# Altium PCB SuperClock_Core.PcbDoc (continued)
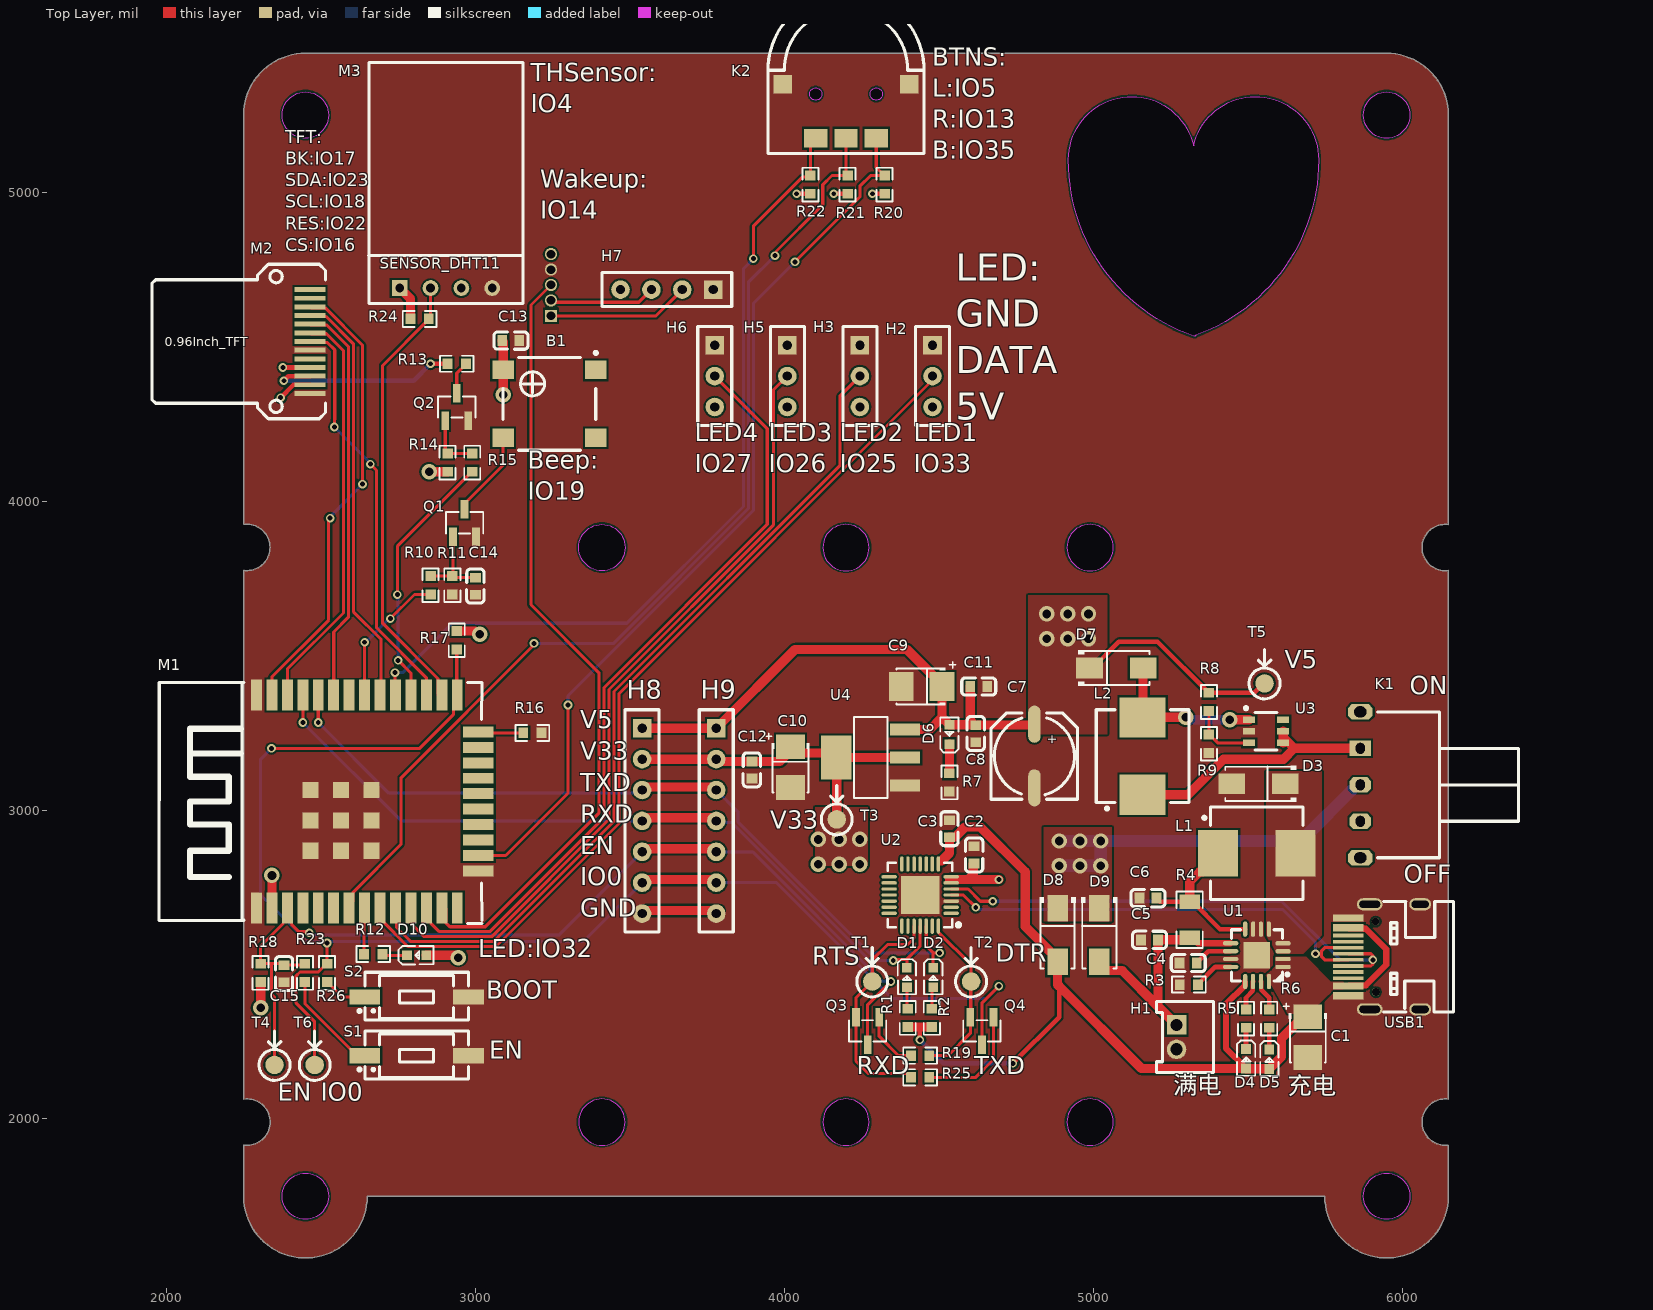
[diagram p0: Top Layer view]
## Components (designator, comment, footprint, x,y, rotation, side; value= is the part's Value field where it differs from the comment) (continued)
S1 "KEY-2P" KEY_SOT_P2 2810,2205 r180 top
S2 "KEY-2P" KEY_SOT_P2 2810,2395 r180 top
T1 "测试点" TEST_POINT 4285,2445 r0 top
T2 "测试点" TEST_POINT 4605,2445 r0 top
T3 "测试点" TEST_POINT 4170,2970 r0 top
T4 "测试点" TEST_POINT 2350,2175 r0 top
T5 "测试点" TEST_POINT 5555,3410 r0 top
T6 "测试点" TEST_POINT 2480,2175 r0 top
U1 "TP5000-QFN16" QFN-16_L4.0-W4.0-P0.65-BL-EP2.2 5530,2530 r90 top
U2 "CP2102-GM" QFN-28 4439.99,2725.01 r180 top
U3 "SX1308" SOT-23-6 5560,3255 r180 top
U4 "LDO" SOT-223 4280,3170 r0 top
USB1 "TYPEC-304-ACP16" USB-C-SMD_TYPE-C-16P 5955,2525 r90 top

## Footprints (in the part's own frame and the unit in brackets; to place one, negate y for a bottom-side part, rotate by r counter-clockwise, add the part's x,y. Pads: shape width x height; smd on the part's side, far side on the other; paste and mask are expansions set on the pad)
Beep_4Pin_7525 [mil]
  rect 70x60 smd: 1(150,110) 2(-150,110) 3(-150,-110) 4(150,-110)
  silkscreen extent -150,-150 155,170
C0603 [mm]
  rect 0.8x0.9 smd: 1(-0.7,0) 2(0.7,0)
  silkscreen extent -1.41,-0.71 1.39,0.72, body extent -0.8,-0.41 0.8,0.45, height 0.89
CAP_SMD_6.3mm [mil] "SMD电容,10mm"
  oval 120x40 smd: 1(-103,0) 2(103,0)
  silkscreen extent -140,-140 140,140, body extent -137,-130 139,130, height 154
CP1210 [mil] "1210钽电容"
  rect 80x93.5 smd mask+2: 1(76,0) 2(-56,0)
  silkscreen extent -72,-61 120,80
ESP32-WROOM-32D [mm] "ESP32-WROOM-32D"
  rect 2.54x0.9 smd: 1(-8.754,8.255) 1(-8.754,8.255) 2(-8.754,6.985) 3(-8.754,5.715) 4(-8.754,4.445) 5(-8.754,3.175) 6(-8.754,1.905) 7(-8.754,0.635) 8(-8.754,-0.635) 9(-8.754,-1.905) 10(-8.754,-3.175) 11(-8.754,-4.445) 12(-8.754,-5.715) 13(-8.754,-6.985) 14(-8.754,-8.255) 25(8.754,-8.255) 26(8.754,-6.985) 27(8.754,-5.715) 28(8.754,-4.445) 29(8.754,-3.175) 30(8.754,-1.905) 31(8.754,-0.635) 32(8.754,0.635) 33(8.754,1.905) 34(8.754,3.175) 35(8.754,4.445) 36(8.754,5.715) 37(8.754,6.985) 38(8.754,8.255) 38(8.754,8.255)
  rect 0.9x2.54 smd: 15(-5.715,-9.979) 15(-5.715,-9.979) 16(-4.445,-9.979) 17(-3.175,-9.979) 18(-1.905,-9.979) 19(-0.635,-9.979) 20(0.635,-9.979) 21(1.905,-9.979) 22(3.175,-9.979) 23(4.445,-9.979) 24(5.715,-9.979)
  rect 1.33x1.33 smd: 39(-4.064,-1.19) 39(-4.064,-1.19) 39(-4.064,1.31) 39(-4.064,1.31) 39(-4.064,3.81) 39(-4.064,3.81) 39(-4.064,3.81) 39(-4.064,3.81) 39(-1.564,3.81) 39(-1.564,3.81) 39(-1.564,-1.19) 39(-1.564,1.31) 39(0.936,3.81) 39(0.936,3.81) 39(0.936,-1.19) 39(0.936,1.31)
  Keep-Out Layer region: -9.779,16.256 9.779,16.256 9.779,9.525 -9.779,9.525
  silkscreen extent -10.03,-10.29 9.78,16.26, body extent -9,-9.83 9,15.67, height 2.91
H_1.27_P5 [mm]
  rect 1x1 hole 0.7: 1(-2.54,0)
  round 1 hole 0.7: 2(-1.27,0) 3(0,0) 4(1.27,0) 5(2.54,0)
  silkscreen extent -3.43,-0.76 3.43,0.76
H_2.54_P3 [mil] "3Pin Header"
  rect 60x60 hole 30: 1(-100,0)
  round 60 hole 30: 2(0,0) 3(100,0)
  silkscreen extent -160,-55 160,55, body extent -150,-45 150,55, height 315
H_2.54_P4 [mil]
  rect 60x60 hole 30: 1(-150,0)
  round 60 hole 30: 2(-50,0) 3(50,0) 4(150,0)
  silkscreen extent -210,-55 210,55, body extent -200,-45 100,55, height 315
H_2.54_P7 [mil]
  rect 60x60 hole 30: 1(-300,0)
  round 60 hole 30: 2(-200,0) 3(-100,0) 4(0,0) 5(100,0) 6(200,0) 7(300,0)
  silkscreen extent -360,-55 360,55, body extent -350,-45 -50,55, height 315
KEY_DIAL_3 [mil]
  rect 60x60 smd: 1(-205,175) 2(205,175)
  rect 75x61 smd: 3(-98,0) 4(0,0) 5(98,0)
  Keep-Out Layer board cut-out: 98,123 90.35,124.52 83.86,128.86 79.52,135.35 78,143 78,143 79.52,150.65 83.86,157.14 90.35,161.48 98,163 98,163 105.65,161.48 112.14,157.14 116.48,150.65 118,143 118,143 116.48,135.35 112.14,128.86 105.65,124.52 98,123
  Keep-Out Layer board cut-out: -98,123 -105.65,124.52 -112.14,128.86 -116.48,135.35 -118,143 -118,143 -116.48,150.65 -112.14,157.14 -105.65,161.48 -98,163 -98,163 -90.35,161.48 -83.86,157.14 -79.52,150.65 -78,143 -78,143 -79.52,135.35 -83.86,128.86 -90.35,124.52 -98,123
  silkscreen extent -252,-50 252,472
KEY_SOT_P2 [mil] "KEY_SOT_P2"
  rect 100x50 smd: 1(167.8,0) 2(-167.8,0)
  silkscreen extent -168,-80 190,75, body extent -162,-72 159,70, height 98
LED0603 [mm]
  rect 0.8x0.8 smd: 1(-0.799,-0.003) 2(0.799,0.004)
  silkscreen extent -1.49,-0.75 1.39,0.76, body extent -0.83,-0.34 0.83,0.38, height 0.68
PH_2Pin [mm]
  rect 1.6x1.6 hole 1: 1(1,0)
  round 1.6 hole 1: 2(-1,0)
  silkscreen extent -2.92,-3.05 2.92,1.65
QFN-16_L4.0-W4.0-P0.65-BL-EP2.2 [mm] "QFN16"
  oval 0.35x1.27 smd: 1(-0.965,-2.154) 2(-0.315,-2.154) 3(0.335,-2.154) 4(0.986,-2.154) 9(0.991,2.154) 10(0.34,2.154) 11(-0.31,2.154) 12(-0.96,2.154)
  oval 1.27x0.35 smd: 5(2.154,-0.991) 6(2.154,-0.34) 7(2.154,0.31) 8(2.154,0.96) 13(-2.154,0.96) 14(-2.154,0.31) 15(-2.154,-0.34) 16(-2.154,-0.991)
  rect 2.2x2.2 smd: 17(0,0)
  silkscreen extent -2.11,-2.64 2.1,2.1
QFN-28 [mm]
  oval 1.27x0.28 smd mask+0.051: 1(-2.552,1.501) 2(-2.552,1.001) 3(-2.552,0.501) 4(-2.552,0) 5(-2.552,-0.5) 6(-2.552,-1.001) 7(-2.552,-1.501) 15(2.552,-1.501) 16(2.552,-1.001) 17(2.552,-0.5) 18(2.552,0) 19(2.552,0.501) 20(2.552,1.001) 21(2.552,1.501)
  oval 0.28x1.27 smd mask+0.051: 8(-1.501,-2.552) 9(-1.001,-2.552) 10(-0.501,-2.552) 11(0,-2.552) 12(0.5,-2.552) 13(1.001,-2.552) 14(1.501,-2.552) 22(1.501,2.552) 23(1.001,2.552) 24(0.5,2.552) 25(0,2.552) 26(-0.501,2.552) 27(-1.001,2.552) 28(-1.501,2.552)
  rect 3.15x3.15 smd mask+0.051: 29(0,0)
  silkscreen extent -3.3,-2.65 2.65,2.65
R0603 [mil]
  rect 31.75x34.02 smd: 1(-29.65,0) 2(29.66,0)
  silkscreen extent -55,-26 55,26, body extent -31,-17 32,17, height 19
R1206 [mil]
  rect 47.54x66.97 smd: 1(-58.22,0) 2(58.22,0)
  silkscreen extent -91,-42 91,42, body extent -63,-31 63,32, height 22
SENSOR-TH_DHT11-HOR [mil]
  rect 51x51 hole 28 mask+2: 1(-150,0)
  round 51 hole 28 mask+2: 2(-50,0) 3(50,0) 4(150,0)
  silkscreen extent -250,-50 250,730, body extent -237,-14 235,714, height 217
SMA_L4.3 [mm] "SMA_DIode"
  rect 2.185x1.7 smd: 1(-2.2,0) 2(2.2,0)
  silkscreen extent -3.11,-1.48 2.73,1.48, body extent -2.6,-1.3 2.6,1.3, height 2.4
SMD_L7.1 [mil]
  rect 130x149.61 smd: 1(-125.24,0) 2(125.23,0)
  silkscreen extent -175,-150 150,150, body extent -144,-130 144,130, height 195
SOT-23-3 [mil] "SOT-23-3"
  rect 60x25 smd: 1(44.68,-37.4) 2(44.68,37.4) 3(-44.69,0)
  silkscreen extent -35,-60 34,60, body extent -45,-57 47,57, height 43
SOT-23-6 [mm]
  rect 1x0.55 smd: 1(1.4,-0.95) 2(1.4,0) 3(1.4,0.95) 4(-1.4,0.95) 5(-1.4,0) 6(-1.4,-0.95)
  silkscreen extent -0.9,-2.03 1.78,1.55, body extent -1.21,-1.4 1.21,1.4, height 1.09
SOT-223 [mm]
  rect 2.47x0.98 smd mask+0.051: 1(2.835,-2.3) 2(2.835,0) 3(2.835,2.3)
  rect 2.47x3.6 smd mask+0.051: 2(-2.835,0)
  silkscreen extent -1.37,-3.33 1.37,3.33
SWITCH_3P_2 [mil]
  rect 50x70 hole 30 slot 35 at 0 deg: 1(-145,-10)
  oct 50x70 hole 30 slot 35 at 0 deg: 2(-26.89,-10) 3(91.22,-10)
  oct 50x80 hole 40 slot 35 at 0 deg: 4(-263.11,-10) 4(209.33,-10)
  silkscreen extent -263,46 209,502
TEST_POINT [mil] "测试点"
  round 60 smd: 1(0,0)
  silkscreen extent -50,-50 50,110
TFT_0.96_13Pin [mil]
  rect 100x16 smd: 1(0,168) 2(0,140) 3(0,112) 4(0,84) 5(0,56) 6(0,28) 7(0,0) 8(0,-28) 9(0,-56) 10(0,-84) 11(0,-112) 12(0,-140) 13(0,-168)
  silkscreen extent -512,-250 50,250
USB-C-SMD_TYPE-C-16P [mm] "全引脚USB TYPEC母座"
  rect 0.6x2.54 smd: A1B12(-3.2,3.274) A4B9(-2.4,3.274) B1A12(3.2,3.274) B4A9(2.4,3.274)
  rect 0.3x2.54 smd: A5(-1.25,3.274) A6(-0.25,3.274) A7(0.25,3.274) A8(1.25,3.274) B5(1.75,3.274) B6(0.75,3.274) B7(-0.75,3.274) B8(-1.75,3.274)
  oval 1x1.8 hole 0.6 slot 1.4 at 90 deg: EP(-4.32,-2.639) EP(4.32,-2.639)
  oval 1x2.1 hole 0.6 slot 1.7 at 90 deg: EP(-4.32,1.511) EP(4.32,1.511)
  round 0.65 hole 0.65 unplated: ""(-2.9,1.011) ""(2.9,1.021)
  silkscreen extent -4.55,-5.37 4.55,0.36, body extent -4.47,-5.32 4.47,2.58, height 3.13

## Part data
B1: "4Pin蜂鸣器"
C1 C7 C9 C10: "极性电容"
C2 C3 C4 C5 C6 C8 C11 C12 C13 C14: "Cap", BOM_Manufacturer="Huaxin S&T", BOM_Manufacturer Part=0603B103K101CT, BOM_Supplier=LCSC, BOM_Supplier Part=C302008, Contributor=LCSC, nameAlias=Capacitance, spicePre=C, spiceSymbolName=0603B103K101CT
C15: library part CAP, BOM_Manufacturer="Huaxin S&T", BOM_Manufacturer Part=0603B103K101CT, BOM_Supplier=LCSC, BOM_Supplier Part=C302008, Contributor=LCSC, nameAlias=Capacitance, spicePre=C, spiceSymbolName=0603B103K101CT
D1 D2 D4 D5 D6 D10: library part LED0, LatestRevisionDate=08-Jul-2005, LatestRevisionNote="Mech Layer 1 removed.", PackageDescription="LED; 2 Leads", PackageReference=LED-0, Published=8-Jun-2000, Publisher="Altium Limited"
D3 D7 D8 D9: "Schottky Rectifier", ComponentLink1Description="Manufacturer Link", ComponentLink1URL=http://www.irf.com/, ComponentLink2Description=Datasheet, ComponentLink2URL=http://www.irf.com/product-info/datasheets/data/10tq.pdf, DatasheetVersion=PD-2.057B, LatestRevisionDate=17-Jul-2002, LatestRevisionNote="Re-released for DXP Platform.", Note="Terminal 2 is the TAB and is electrically connected to the cathode", PackageDescription="TO, Thru-Hole, Vertical, Heatsink Mounted; 3 In-Line Leads (1 Absent); Pitch 2.54 mm", PackageReference=TO-220AC, PackageVersion=Feb-1998, Published=8-Jun-2000, Publisher="Altium Limited"
H1: "2Pin排针"
H2 H3 H5 H6: library part Header_P3, "3Pin接口"
H4: "5Pin排针"
H7: "4Pin排针"
H8 H9: "7Pin排针"
K1: "3Pin按键"
K2: "3向拨轮开关"
L1 L2: library part IND, "电感", BOM_JLCPCB Part Class="Extended Part", BOM_Manufacturer="Sunltech Tech", BOM_Manufacturer Part=SLO0630H150MTT, BOM_Supplier=LCSC, BOM_Supplier Part=C182182, Contributor=LCSC, nameAlias=Inductance, spicePre=L, spiceSymbolName=SLO0630H150MTT
M2: "ST7735_TFT"
M3: "温湿度传感器"
Q1 Q2 Q3 Q4: "NPN", BOM_Manufacturer=AnBon, BOM_Manufacturer Part=SS8050, BOM_Paste Type=recommend, BOM_Supplier=LCSC, BOM_Supplier Part=C541705, Contributor=LCSC, spicePre=Q, spiceSymbolName=SS8050_C541705
R1 R2 R3 R4 R5 R6 R7 R8 R9 R10 R11 R12 R13 R14 R15 R16 R17 R18 R19 R20 R21 R22 R23 R24 R25 R26: library part Res, "电阻", BOM_Manufacturer="Viking Tech", BOM_Manufacturer Part=AR03BTCX1002A, BOM_Supplier=LCSC, BOM_Supplier Part=C465721, Contributor=LCSC, nameAlias="Resistance (Ohms)", spicePre=R, spiceSymbolName=AR03BTCX1002A
S1 S2: library part KEY_2P, "KEY-2Pp"
T1 T2 T3 T4 T5 T6: library part TEST_POINT
U1: BOM_JLCPCB Part Class="Extended Part", BOM_Manufacturer=TOPPOWER, BOM_Manufacturer Part=TP5000-QFN16, BOM_Supplier=LCSC, BOM_Supplier Part=C51699, spicePre=U, spiceSymbolName=TP5000-QFN16
U2: "CP2102USB转串口", JLCPCB Part Class="Extended Part", LCSC Part Name="Silicon Labs-MCU", Manufacturer="SILICON LABS(芯科)", Supply Voltage=-, Add into BOM=yes, Convert to PCB=yes, Data Rate=-, Datasheet=https://atta.szlcsc.com/upload/public/pdf/source/20190920/C430012_1BEF61EC258E8DA8CB0C9799CDAE6C98.pdf, Device=CP2102-GM, Manufacturer Part=CP2102-GM, Name=CP2102-GM, Number of Drivers/Receivers=-, Protocol=-, Supplier=LCSC, Supplier Footprint=QFN-28, Supplier Part=C430012, Symbol=CP2102-GM, Type=-
U3: "升压PWM", BOM_JLCPCB Part Class="Extended Part", BOM_Manufacturer=SX, BOM_Manufacturer Part=SX1308, BOM_Supplier=LCSC, BOM_Supplier Part=C78162, sourceId=g4Yg9rJ1j, spicePre=U, spiceSymbolName=SX1308, timeStamp=1472247539
U4: library part AMS1117
USB1: library part USB_TYPEC_12P, "全引脚USB TYPEC母座", BOM_JLCPCB Part Class="Extended Part", BOM_Manufacturer=XUNPU(讯普), BOM_Manufacturer Part=TYPEC-304-ACP16, BOM_Supplier=LCSC, BOM_Supplier Part=C2982555, Contributor=LCSC, spicePre=U, spiceSymbolName=TYPEC-304-ACP16

## Via types
v1: diameter 28, hole 16, Top Layer to Bottom Layer, tented both sides, 37 vias
v2: diameter 50, hole 28, Top Layer to Bottom Layer, tented both sides, 26 vias

## Nets (pads, with @x,y where several pads share a name; then routed paths per layer and width w, separated by ;. In a path a pad name is that pad's centre, name@x,y a point inside that pad or via, vN(x,y) a via of type N, cw(c..) or ccw(c..) an arc to the next point about the centre after c; other vN are vias at no path point)
B_BEEP: M1.31 R10.2 | length 458.1
  Top Layer w10: M1.31@2641.57,3362.8 v1(2641.57,3543.43) ; v1(2725,3620) 2803.15,3698.15 R10.2
  Bottom Layer w10: v1(2641.57,3543.43) 2645,3543.43 2721.57,3620 v1(2725,3620)
CHA_STAT: R6.1 U1.15 | length 101.6
  Top Layer w15: U1.15 5544.01,2444.59 5544.01,2419.02 5570,2393.03 R6.1
CHOK_STAT: R5.1 U1.14 | length 100
  Top Layer w15: R5.1 5495,2393.03 5517.19,2415.22 5517.19,2444.59 U1.14
D_BLK: M1.28 R15.2 | length 851.9
  Top Layer w10: v1(2747.5,3697.5) 2747.5,3853.98 2988.87,4095.34 R15.2 ; v1(2750,3485) 2791.57,3443.43 M1.28@2791.57,3362.8
  Bottom Layer w10: v1(2747.5,3697.5) 2750,3695 v1(2750,3485)
D_BLK_K: M2.11 R13.2 | length 644.3
  Top Layer w15: v1(2380,4390) 2395,4405 M2.11 ; v1(2855,4445) R13.2
  Bottom Layer w15: v1(2380,4390) 2800,4390 v1(2855,4445)
D_CS: M1.27 M2.7 | length 1342.3
  Top Layer w10: M2.7 2468,4514 2521,4514 2545,4490 2545,4265 2543.75,4263.75 v1(2543.75,4240) ; v1(2660,4120) 2680,4100 2680,3590.36 2841.57,3428.78 M1.27@2841.57,3362.8
  Bottom Layer w10: v1(2543.75,4240) 2660,4123.75 v1(2660,4120)
D_DC: M1.33 M2.5 | length 1311.7
  Top Layer w10: M2.5 2468,4570 2520,4570 2589,4501 2589,3624 2541.57,3576.57 M1.33@2541.57,3362.8
D_RES: M1.36 M2.6 | length 1331.4
  Top Layer w10: M1.36@2391.57,3362.8 2391.57,3456.57 2573,3638 2573,4487 2518,4542 2468,4542 M2.6
D_SCL: M1.30 M2.4 | length 1363.6
  Top Layer w10: M2.4 2468,4598 2517,4598 2605,4510 2605,3642.37 2695,3552.37 2695,3366.22 M1.30@2691.57,3362.8
D_SDA: M1.37 M2.3 | length 1485.1
  Top Layer w10: M1.37@2341.57,3362.8 2341.57,3431.57 2525,3615 2525,3940 v1(2530,3945) ; M2.3 2468,4626 2514,4626 2635,4505 v1(2635,4055)
  Bottom Layer w10: v1(2530,3945) 2530,3950 v1(2635,4055)
GND: C1.2 C2.2 C3.2 C4.2 C5.2 C6.2 C7.2 C8.2 C9.2 C10.2 C11.2 C12.2 C13.1 C14.2 C15.2 D3.2 H1.2 H2.1 H3.1 H4.4 H5.1 H6.1 H7.1 H8.7 H9.7 K2.1 K2.2 M1.1 M1.15 M1.38 M1.39 M2.8 M2.13 M3.4 Q1.2 Q2.2 R3.2 R7.1 R9.2 R11.2 R16.2 S1.2 S2.2 U1.6 U1.7 U1.11 U1.17 U2.3 U2.29 U3.2 U4.1 USB1.A1B12 USB1.B1A12 USB1.EP | length 240
  Top Layer w30: H8.7@3550,2675 H9.7@3790,2675
LED_1: H2.2 M1.9 | length 2884.5
  Top Layer w10: M1.9@2695.01,2690.07 2695.01,2644.99 2781.5,2558.51 3066.74,2558.51 3465,2956.76 3465,3377.12 4480,4392.12 H2.2
LED_2: H3.2 M1.10 | length 2725.3
  Top Layer w10: M1.10@2745.01,2690.07 2745.01,2619.99 2790.5,2574.51 3060.12,2574.51 3449,2963.39 3449,3383.75 4180,4114.75 4180,4340 H3.2
LED_3: H5.2 M1.11 | length 2550.5
  Top Layer w10: M1.11@2791.57,2693.51 2791.57,2633.43 2834.5,2590.51 3053.49,2590.51 3433,2970.02 3433,3390.37 3965,3922.37 3965,4360 H5.2
LED_4: H6.2 M1.12 | length 2503.8
  Top Layer w10: M1.12@2845.01,2690.07 2854.29,2680.79 2854.29,2635.71 2883.5,2606.51 3046.86,2606.51 3417,2976.64 3417,3397 3945,3925 3945,4235 H6.2
NetB1_3: B1.3 Q1.3 | length 282.1
  Top Layer w10: Q1.3 2965,3992.19 3090,4117.19 B1.3
NetC4_1: C4.1 U1.10 | length 127.1
  Top Layer w15: C4.1 5335.11,2506.97 5343.36,2515.22 5345.33,2515.22 5372.9,2542.79 5444.59,2542.79 U1.10
NetC6_1: C6.1 L1.1 R4.2 U1.8 | length 530.5
  Top Layer w15: C6.1 5205.11,2713.03 5214.92,2703.22 R4.2 5322.27,2703.22 5410.69,2614.8 U1.8
  Top Layer w30: R4.2 5312.56,2767.79 5344.96,2800.2 5354.76,2800.2 5404.76,2850.2 L1.1
NetC14_1: C14.1 Q1.1 R10.1 R11.1 | length 275.8
  Top Layer w10: R10.1 R11.1 ; Q1.1 2927.6,3759.53 R11.1 ; C14.1 2930.43,3752.55 R11.1
NetD1_2: D1.2 R1.1 | length 70.9
  Top Layer w10: D1.2 4397.28,2359.68 R1.1
NetD2_2: D2.2 R2.1 | length 71.7
  Top Layer w10: R2.1 4477.86,2422.45 D2.2
NetD3_1: D3.1 L1.2 U1.3 U1.4 U1.5
NetD4_1: D4.1 R5.2 | length 68.9
  Top Layer w15: D4.1 D4.1 5494.93,2295.28 R5.2
NetD5_1: D5.1 R6.2 | length 70.3
  Top Layer w15: D5.1 R6.2
NetD6_1: D6.1 R7.2 | length 94.3
  Top Layer w30: R7.2 4535.07,3119.38 D6.1 D6.1
NetD7_2: D7.2 L2.2 U3.1 | length 508.6
  Top Layer w30: D7.2 5161.61,3301.84 L2.2 v2(5299.77,3300.22) ; v2(5442.6,3292.39) U3.1
  Bottom Layer w30: v2(5299.77,3300.22) 5305.19,3300.22 5313.02,3292.39 v2(5442.6,3292.39)
NetD8_1: D8.1 D9.1 K1.2 | length 1265.3
  Bottom Layer w40: v2(4890,2820) v2(4957.5,2820) v2(5025,2820) v2(5025,2900) ; v2(4890,2900) v2(4957.5,2900) v2(5025,2900) ; K1.2 5855,3081.89 5673.11,2900 v2(5025,2900)
NetD10_1: D10.1 R12.2 | length 80.8
  Top Layer w10: R12.2 2703.18,2529.86 D10.1
NetQ2_1: Q2.1 R14.1 R15.1 | length 188.7
  Top Layer w10: Q2.1 2902.6,4162.06 R14.1 R15.1
NetQ2_3: Q2.3 R13.1 | length 107.6
  Top Layer w10: Q2.3 2940,4414.21 2969.66,4443.87 R13.1
NetQ3_1: Q3.1 R19.1 | length 191
  Top Layer w10: Q3.1 4307.4,2267.6 4370,2205 R19.1
NetQ4_1: Q4.1 R25.1 | length 368.8
  Top Layer w10: R25.1 4620,2135 4677.4,2192.4 Q4.1
NetR3_1: R3.1 U1.12 | length 129.9
  Top Layer w15: R3.1 5339.65,2436.13 5395.72,2492.2 U1.12
NetR23_1: R23.1 S1.1 | length 333.4
  Top Layer w10: R23.1 2448.33,2373.87 2617.2,2205 S1.1
NetR26_1: R26.1 S2.1 | length 142.3
  Top Layer w10: R26.1 2521.13,2443.49 2569.63,2395 S2.1
S_DTR: Q4.2 R19.2 T2.1 U2.28 | length 554.8
  Top Layer w10: R19.2 4530,2205 4602.6,2277.6 Q4.2 4603.8,2330.88 4603.8,2443.8 T2.1 4605,2499.14 4499.1,2605.04 U2.28
S_RTS: Q3.2 R25.2 T1.1 U2.24 | length 753.1
  Top Layer w10: R25.2 4405.35,2140 4405.35,2141.13 4399.47,2147.01 4272.99,2147.01 4232.6,2187.4 Q3.2 4232.6,2392.6 T1.1 4285,2515 4335,2565 4400,2565 4420.3,2585.3 U2.24
S_RXD: D1.1 H8.4 H9.4 M1.35 U2.25 | length 2508.1
  Top Layer w10: v1(2441.57,3283.43) M1.35@2441.57,3362.8 ; v1(4352.99,2512.93) 4356.44,2516.38 4376.46,2516.38 4377.09,2517.01 4397.01,2517.01 ; D1.1 4397.01,2517.01 ; U2.25 4440,2560 4397.01,2517.01
  Top Layer w30: H8.4@3550,2975 H9.4@3790,2975
  Bottom Layer w10: v1(2441.57,3283.43) 2760,2965 H8.4 ; H9.4 3785,2960 3830,2960 4277.07,2512.93 v1(4352.99,2512.93)
S_TXD: D2.1 H8.3 H9.3 M1.34 U2.26 | length 2591.6
  Top Layer w10: v1(2491.57,3283.43) M1.34@2491.57,3362.8 ; U2.26 4459.7,2560.3 4482.07,2537.93 ; D2.1 4482.07,2537.93 ; v1(4502.93,2537.93) 4482.07,2537.93
  Top Layer w30: H8.3@3550,3075 H9.3@3790,3075
  Bottom Layer w10: v1(2491.57,3283.43) 2720,3055 3509.14,3055 3509.58,3055.43 H8.3@3530.43,3055.43 ; H8.3@3540.43,3065.43 H8.3@3550,3075 ; H9.3 3850,2995 3850,2962.63 4274.69,2537.93 v1(4502.93,2537.93)
TS_DATA: M1.26 M3.2 R24.2 | length 1470.8
  Top Layer w10: M3.2 2855,4595.69 R24.2 2849.31,4588.87 2700,4439.56 2700,3605 2878.86,3426.14 2878.86,3375.51 M1.26@2891.57,3362.8
USB_D+: U2.4 USB1.A6 USB1.B6 | length 1500.8
  Top Layer w10: U2.4 4580,2725 v1(4620,2685) ; v1(5720,2535) 5740,2535 ; USB1.A6 5749.84,2515.16 5740,2525 5740,2535 ; USB1.B6 5825.65,2555 5825.17,2554.53 5749.53,2554.53 5740,2545 5740,2535
  Bottom Layer w10: v1(4620,2685) 4627,2678 5614.37,2678 5720,2572.37 v1(5720,2535)
USB_D-: U2.5 USB1.A7 USB1.B7 | length 1651.3
  Top Layer w10: U2.5 4595.3,2744.7 4635,2705 v1(4675,2705) ; USB1.B7 5899.61,2495.47 5905.47,2501.33 v1(5905.47,2515.16) 5905.47,2528.98 5899.61,2534.84 USB1.A7
  Bottom Layer w10: v1(4675,2705) 5610,2705 5799.84,2515.16 v1(5905.47,2515.16)
V33: B1.2 C2.1 C10.1 C12.1 C13.2 D10.2 H8.2 H9.2 M1.2 M2.10 M2.12 M3.1 R14.2 R17.2 R18.2 R20.1 R21.1 R22.1 R24.1 T3.1 U2.6 U2.7 U4.2 | length 2338.5
  Top Layer w15: v1(2370,4335) 2411.5,4376.5 2464.5,4376.5 M2.12 ; v1(2377,4433) M2.10 ; v1(4040.34,4995.35) R22.1 ; v1(4160.35,4995.35) R21.1 ; v1(4285.35,4995.35) R20.1
  Top Layer w30: v2(2305,2360) R18.2 ; M1.2@2341.57,2693.51 v2(2341.57,2788.43) ; M3.1 2790,4655 R24.1 ; D10.2 2931.82,2530.14 2939.45,2522.51 v2(2944.86,2522.51) ; v2(2850.34,4095.34) R14.2 ; R17.2 2998.59,3579.66 3009.24,3569 v2(3014.66,3569) ; C13.2 3087.45,4518.03 3090,4515.48 B1.2 v2(3090,4345) ; H8.2 H9.2 3788.12,3165 3795.56,3157.55 C12.1 3985.8,3157.55 4013.25,3185 4020,3185 4153.39,3185 U4.2@4168.39,3170 ; T3.1 4170,3168.39 U4.2@4168.39,3170 ; U4.2@4391.61,3170 U4.2@4168.39,3170 ; 4535,2775 4594.71,2775 ; C2.1 4613.03,2827.45 4612.28,2826.7 4612.28,2792.57 4594.71,2775 ; v1(4695,2775) 4594.71,2775
  other v2: 4110,2825 4177.5,2825 4245,2825 4110,2905 4177.5,2905 4245,2905
VB_FB: R8.1 R9.1 U3.3 | length 216.8
  Top Layer w10: R8.1 R9.1 5376.13,3244.66 5403.19,3217.6 U3.3
VBAT: C5.1 D9.2 H1.1 R4.1 U1.9 | length 801.1
  Top Layer w20: R4.1@5305.77,2580 R4.1 5322.27,2586.78 5340.05,2569 U1.9
  Top Layer w30: D9.2 5020,2498.84 5038.46,2480.37 5094,2480.37 5210.11,2364.26 ; H1.1 5210.11,2364.26 ; R4.1@5305.77,2580 C5.1 5210.11,2364.26
VBUS: C1.1 C3.1 D4.2 D5.2 D8.2 R1.2 R2.2 U1.1 U1.2 U1.13 U1.16 U2.8 USB1.A4B9 USB1.B4A9 | length 3279.3
  Top Layer w15: v1(4438.85,2256.15) 4438.85,2297.81 ; v1(4740,2180) 4890,2330 4890,2430 4885,2435
  Top Layer w20: U1.13 5492.2,2433.31 5430,2371.11 5430,2228.66 D4.2 ; USB1.A4B9 5827.93,2432.32 5882.32,2432.32 5949.22,2499.22 5949.22,2549.33 5882.75,2615.8 5877.47,2615.8 5875.6,2617.68 5827.93,2617.68 USB1.B4A9
  Top Layer w30: R1.2 4438.85,2297.81 R2.2 R2.2@4478.99,2297.81 ; 4509.1,2835.48 4535,2861.38 C3.1 4535.75,2913.19 4553.19,2913.19 4585,2945 4635,2945 4780,2800 4780,2622.93 4885,2517.93 D8.2 4885,2435 ; 4890,2430 5156.48,2163.52 D4.2 5495.88,2162.79 5569.54,2162.79 D5.2 5610,2201.77 5610,2261.75 5673.25,2325 C1.1@5680,2325
  Bottom Layer w15: v1(4438.85,2256.15) 4515,2180 v1(4740,2180)
VCC5: C7.1 C8.1 C9.1 C11.1 D6.2 D7.1 H2.3 H3.3 H4.5 H5.3 H6.3 H7.4 H8.1 H9.1 R8.2 T5.1 U4.3 | length 2495.2
  Top Layer w15: D7.1 4997.93,3460 5082.93,3545 5208.52,3545 5373.87,3379.66 R8.2 5521.71,3379.66 5552.05,3410 T5.1
  Top Layer w30: H8.1 H9.1 4035,3520 4397.75,3520 4511,3406.75 C9.1 4511,3300.34 ; U4.3 4471.21,3260.55 4511,3300.34 ; C11.1 4602.44,3290.59 C8.1@4616.56,3276.48 ; C7.1@4807.75,3275.75 4620.75,3275.75 C8.1 4618.03,3275 C8.1@4616.56,3276.48 ; D7.1@4978.84,3460 D7.1 ; 4511,3300.34 D6.2 4602.44,3276.48 C8.1@4616.56,3276.48
  other v2: 4850,3555 4917.5,3555 4985,3555 4850,3635 4917.5,3635 4985,3635
VSYS: K1.1 L2.1 U3.4 U3.5 | length 856
  Top Layer w30: L2.1 5306.97,3049.76 5422.21,3165 5616.42,3165 5651.42,3200 ; U3.4 5615.12,3236.3 ; U3.5 5615.12,3236.3 ; K1.1 5651.42,3200 ; 5615.12,3236.3 5651.42,3200
W_EN: C15.1 H8.5 H9.5 M1.3 Q3.3 R18.1 R23.2 T4.1 | length 3221.9
  Top Layer w10: T4.1 2350,2395 2340.35,2404.65 2340.35,2502.8 ; M1.3@2391.57,2693.51 M1.3@2391.57,2663.43 ; R23.2 2443.43,2497.9 C15.1 2375.71,2502.8 2340.35,2502.8 ; v1(2462.68,2602.68) 2459.23,2606.12 2428.88,2606.12 2404.29,2630.71 2404.29,2650.71 M1.3@2391.57,2663.43 ; Q3.3 4270,2370 v1(4345,2445) ; 2340.35,2502.8 R18.1 2305,2560 2378.86,2633.86 2378.86,2650.71 M1.3@2391.57,2663.43
  Top Layer w30: H8.5@3550,2875 H9.5@3790,2875
  Bottom Layer w10: v1(2462.68,2602.68) 2462.68,2600.86 2468.54,2595 3270,2595 H8.5 ; H9.5 3897.63,2865 4316,2446.63 4343.37,2446.63 v1(4345,2445)
W_IO0: H8.6 H9.6 M1.25 Q4.3 R17.1 R26.2 T6.1 | length 4757.9
  Top Layer w10: v1(2340,3200) 2820,3200 2928.86,3308.86 2928.86,3350.08 2941.57,3362.8 2940,3364.37 R17.1 ; T6.1 2480,2315 2420,2375 2420,2463.6 2432.33,2475.93 2491.99,2475.93 2518.87,2502.8 R26.2 v1(2520,2570) ; Q4.3 4640,2375 v1(4695,2430)
  Top Layer w30: H8.6@3550,2775 H9.6@3790,2775
  Bottom Layer w10: v1(2340,3200) 2305,3165 2305,2725 2455,2575 v1@2520,2575 ; v1(2520,2570) v1@2520,2575 ; H8.6 3350,2575 v1@2520,2575 ; H9.6 3975,2765 4350,2390 4655,2390 v1(4695,2430)
W_IO2: M1.24 R16.1 | length 157.2
  Top Layer w10: M1.24@2999.47,3253.15 3002.61,3250 R16.1
W_KB: K2.4 M1.7 R21.2 | length 3332.3
  Top Layer w10: M1.7@2591.57,2693.51 2604.29,2706.22 2604.29,2734.29 2760,2890 2760,3105 3190,3535 v1(3190,3540) ; v1(3970,4795) 3970,4805 4124.83,4959.83 4124.83,5024.83 4154.65,5054.65 4200,5054.65 R21.2 4200,5059.65 K2.4
  Bottom Layer w10: v1(3190,3540) 3447.63,3540 3884,3976.37 3884,4709 v1(3970,4795)
W_KL: K2.3 M1.29 R22.2 | length 2734.8
  Top Layer w10: v1(2740,3445) 2740,3364.37 M1.29@2741.57,3362.8 ; v1(3900,4785) 3900,4890.36 4034.38,5024.74 4058.85,5049.21 4079.55,5049.21 R22.2 4085,5158 K2.3
  Bottom Layer w10: v1(2740,3445) 2765,3445 2925,3605 3490,3605 3868,3983 3868,4753 v1(3900,4785)
W_KR: K2.5 M1.16 R20.2 | length 2966
  Top Layer w10: M1.16@2999.47,2853.15 3098.15,2853.15 3300,3055 v1(3300,3340) ; v1(4035,4775) 4245,4985 4245,5020 4279.65,5054.65 R20.2@4323.87,5054.65 ; K2.5 4298,5080.52 R20.2@4323.87,5054.65 ; R20.2 R20.2@4323.87,5054.65
  Bottom Layer w10: v1(3300,3340) 3300,3369.75 3900,3969.75 3900,4640 v1(4035,4775)
W_LED: M1.8 R12.1 | length 160.4
  Top Layer w10: R12.1 2640,2691.93 M1.8@2641.57,2693.51
WK_R: H4.1 H7.2 | length 460.2
  Top Layer w10: H4.1 3585,4600 H7.2
WK_T: H4.2 H7.3 | length 347.4
  Top Layer w10: H4.2 3252.95,4650 3258.95,4644 3529,4644 3565,4680 3565,4685 H7.3
WKUP_IN: H4.3 M1.13 | length 2544.5
  Top Layer w10: M1.13@2891.57,2693.51 2904.29,2680.79 2904.29,2635.71 2917.49,2622.51 3032.51,2622.51 3400,2990 3400,3445 3180,3665 3180,4635 H4.3
pads on no net: B1.1 B1.4 K1.3 K1.4 M1.4 M1.5 M1.6 M1.14 M1.17 M1.18 M1.19 M1.20 M1.21 M1.22 M1.23 M1.32 M2.1 M2.2 M2.9 M3.3 U2.1 U2.2 U2.9 U2.10 U2.11 U2.12 U2.13 U2.14 U2.15 U2.16 U2.17 U2.18 U2.19 U2.20 U2.21 U2.22 U2.23 U2.27 U3.6 USB1. USB1.A5 USB1.A8 USB1.B5 USB1.B8

## Polygon pours and split planes (outlines as drawn)
GND on Top Layer "NONET_L-01_P-001" (solid, pour order 9): 2250,1750 2250,1914.22 2250.44,1915.73 ccw(c2260.88,1990) 2250.44,2064.27 2250.44,3775.73 2250,3776.17 ccw(c2260.44,3850.44) 2250,3924.71 2250,5250 cw(c2450,5250) 2450,5450 5950,5450 cw(c5950,5250) 6150,5250 6150,3924.71 6150.44,3924.27 ccw(c6140,3850) 6150.44,3775.73 6150.44,2064.27 ccw(c6140,1990) 6150.44,1915.73 6150,1914.22 6150,1750 cw(c5950,1750) 5750,1750 2650,1750 cw(c2450,1750)
VBUS on Top Layer "NONET_L-01_P-001" (solid, pour order 0): 5559.58,2464.58 5590,2495 5590,2525 5689.71,2525 5769.71,2445 5875,2445 5880,2440 5880,2420 5780,2420 5700,2340 5630,2340
VCC5 on Top Layer "NONET_L-01_P-001" (solid, pour order 8): 4790,3245 4790,3695 5045,3695 5045,3245
V33 on Top Layer "NONET_L-01_P-001" (solid, pour order 4): 4100,3010 4270,3010 4270,2820 4100,2820
NetD8_1 on Top Layer "NONET_L-01_P-001" (solid, pour order 3): 4840,2945 4840,2640 5060,2640 5060,2945
NetD3_1 on Top Layer "NONET_L-01_P-001" (solid, pour order 1): 5560,2595 5560,3125 5740,3125 5740,2595 5680,2535 5595,2535
GND on Bottom Layer "NONET_L-01_P-001" (solid, pour order 7): 2250,1750 2250,1914.22 2250.44,1915.73 ccw(c2260.88,1990) 2250.44,2064.27 2250.44,3775.73 2250,3776.17 ccw(c2260.44,3850.44) 2250,3924.71 2250,5250 cw(c2450,5250) 2450,5450 5950,5450 cw(c5950,5250) 6150,5250 6150,3924.71 6150.44,3924.27 ccw(c6140,3850) 6150.44,3775.73 6150.44,2064.27 ccw(c6140,1990) 6150.44,1915.73 6150,1914.22 6150,1750 cw(c5950,1750) 5750,1750 2650,1750 cw(c2450,1750)
V33 on VCC2 (split plane): 497 vertices, not listed, extent 2270.1,1570.1 6130.34,5429.9
VCC5 on VCC2 (split plane): 5129.9,4167.89 5129.9,3622.11 5032.89,3525.1 4787.11,3525.1 4358.6,3953.6 4356.95,3954.71 4355,3955.1 3200.1,3955.1 3200.1,4924.9 4372.89,4924.9
GND on GND3 (split plane): 497 vertices, not listed, extent 2270.1,1570.1 6130.34,5429.9

## Other copper
VCC2 (plane layer: these items are gaps in the copper):
  lines w10: 3195,3945 3200,3950 4355,3950 4785,3520 5035,3520 5135,3620 5135,4170 4375,4930 3195,4930 3195,3945

## Silkscreen, mask and mechanical layers (free items; w line width, h text height)
Top Overlay:
  text "THSensor: / IO4" at 3180,5240 h100
  text "BTNS: / L:IO5 / R:IO13 / B:IO35" at 4480,5090 h100
  text "Wakeup: / IO14" at 3210,4895 h100
  text "TFT: / BK:IO17 / SDA:IO23 / SCL:IO18 / RES:IO22 / CS:IO16" at 2385,4795 h70
  text "LED: / GND / DATA / 5V" at 4555,4235 h150
  text "LED4 / IO27" at 3710,4075 h100
  text "LED3 / IO26" at 3950,4075 h100
  text "LED2 / IO25" at 4180,4075 h100
  text "LED1 / IO33" at 4420,4075 h100
  text "Beep: / IO19" at 3170,3985 h100
  text "V5" at 5620,3440 h100
  text "ON" at 6025,3355 h100
  text "V5" at 3340,3245 h100
  text "V33" at 3340,3143.33 h100
  text "TXD" at 3340,3041.67 h100
  text "RXD" at 3340,2940 h100
  text "V33" at 3955,2920 h100
  text "EN" at 3340,2838.33 h100
  text "OFF" at 6005,2745 h100
  text "IO0" at 3340,2736.67 h100
  text "GND" at 3340,2635 h100
  text "LED:IO32" at 3010,2505 h100
  text "DTR" at 4685,2490 h100
  text "RTS" at 4090,2480 h100
  text "BOOT" at 3035,2370 h100
  text "EN" at 3045,2175 h100
  text "RXD" at 4235,2125 h100
  text "TXD" at 4615,2125 h100
  text "满电" at 5260,2061.67 h100
  text "充电" at 5630,2060 h100
  text "EN" at 2360,2040 h100
  text "IO0" at 2500,2040 h100
Bottom Overlay:
  drawing of 274 lines, arcs and shapes, not listed
Top Solder:
  text "Levent / 20221007/V0.2" at 4709.76,4215 h200
Bottom Solder:
  text "因热爱而存在" at 6147.68,4270 h250
Mechanical 1:
  circle w10: c5950,1750 r75
  circle w10: c2450,1750 r75
  circle w10: c5950,5250 r75
  circle w10: c2450,5250 r75
  circle w10: c4200,3850 r75
  circle w10: c4200,1990 r75
  circle w10: c4990,1990 r75
  circle w10: c4990,3850 r75
  circle w10: c3410,3850 r75
  circle w10: c3410,1990 r75
  lines w10: 2250,1914.22 2250,1750 ccw(c2450,1750) 2650,1750 5750,1750 ccw(c5950,1750) 6150,1750 6150,1914.22 ; 2250,3776.17 ccw(c2260.44,3850.44) 2250,3924.71 2250,5250 cw(c2450,5250) 2450,5450 5950,5450 cw(c5950,5250) 6150,5250 6150,3924.71 ; 2250.44,1915.73 ccw(c2260.88,1990) 2250.44,2064.27 2250.44,3775.73 ; 4924.92,5105 ccw(c5525,5105) 5327.5,4538.35 ; 4925,5105 cw(c5125,5105) 5325,5105 cw(c5525,5105) 5725,5105 cw(c5125,5105) 5326.91,4540 ; 6150.44,1915.73 cw(c6140,1990) 6150.44,2064.27 6150.44,3775.73 cw(c6140,3850) 6150.44,3924.27

## Text inside footprints (layer, text, board x,y; h text height)
C7: Top Overlay "+" at 4855,3245 h30 r270
M2: Top Overlay "0.96Inch_TFT" at 1995,4502 h30
M3: Top Overlay "SENSOR_DHT11" at 2690,4739.82 h60